# Altium PCB MdFOC.PcbDoc (part 2 of 2)
Units mil, origin at the board's own origin, x right, y up, seen from the top; angles counter-clockwise.
Board outline 3228.34 x 2206.4 mil, 4 copper layers (Top Layer, GND, SIG, Bottom Layer), stack 62.674 mil thick; 181 components, 136 nets, 724 pads, 590 vias.
Unrouted connection lines stored in the file: 2.
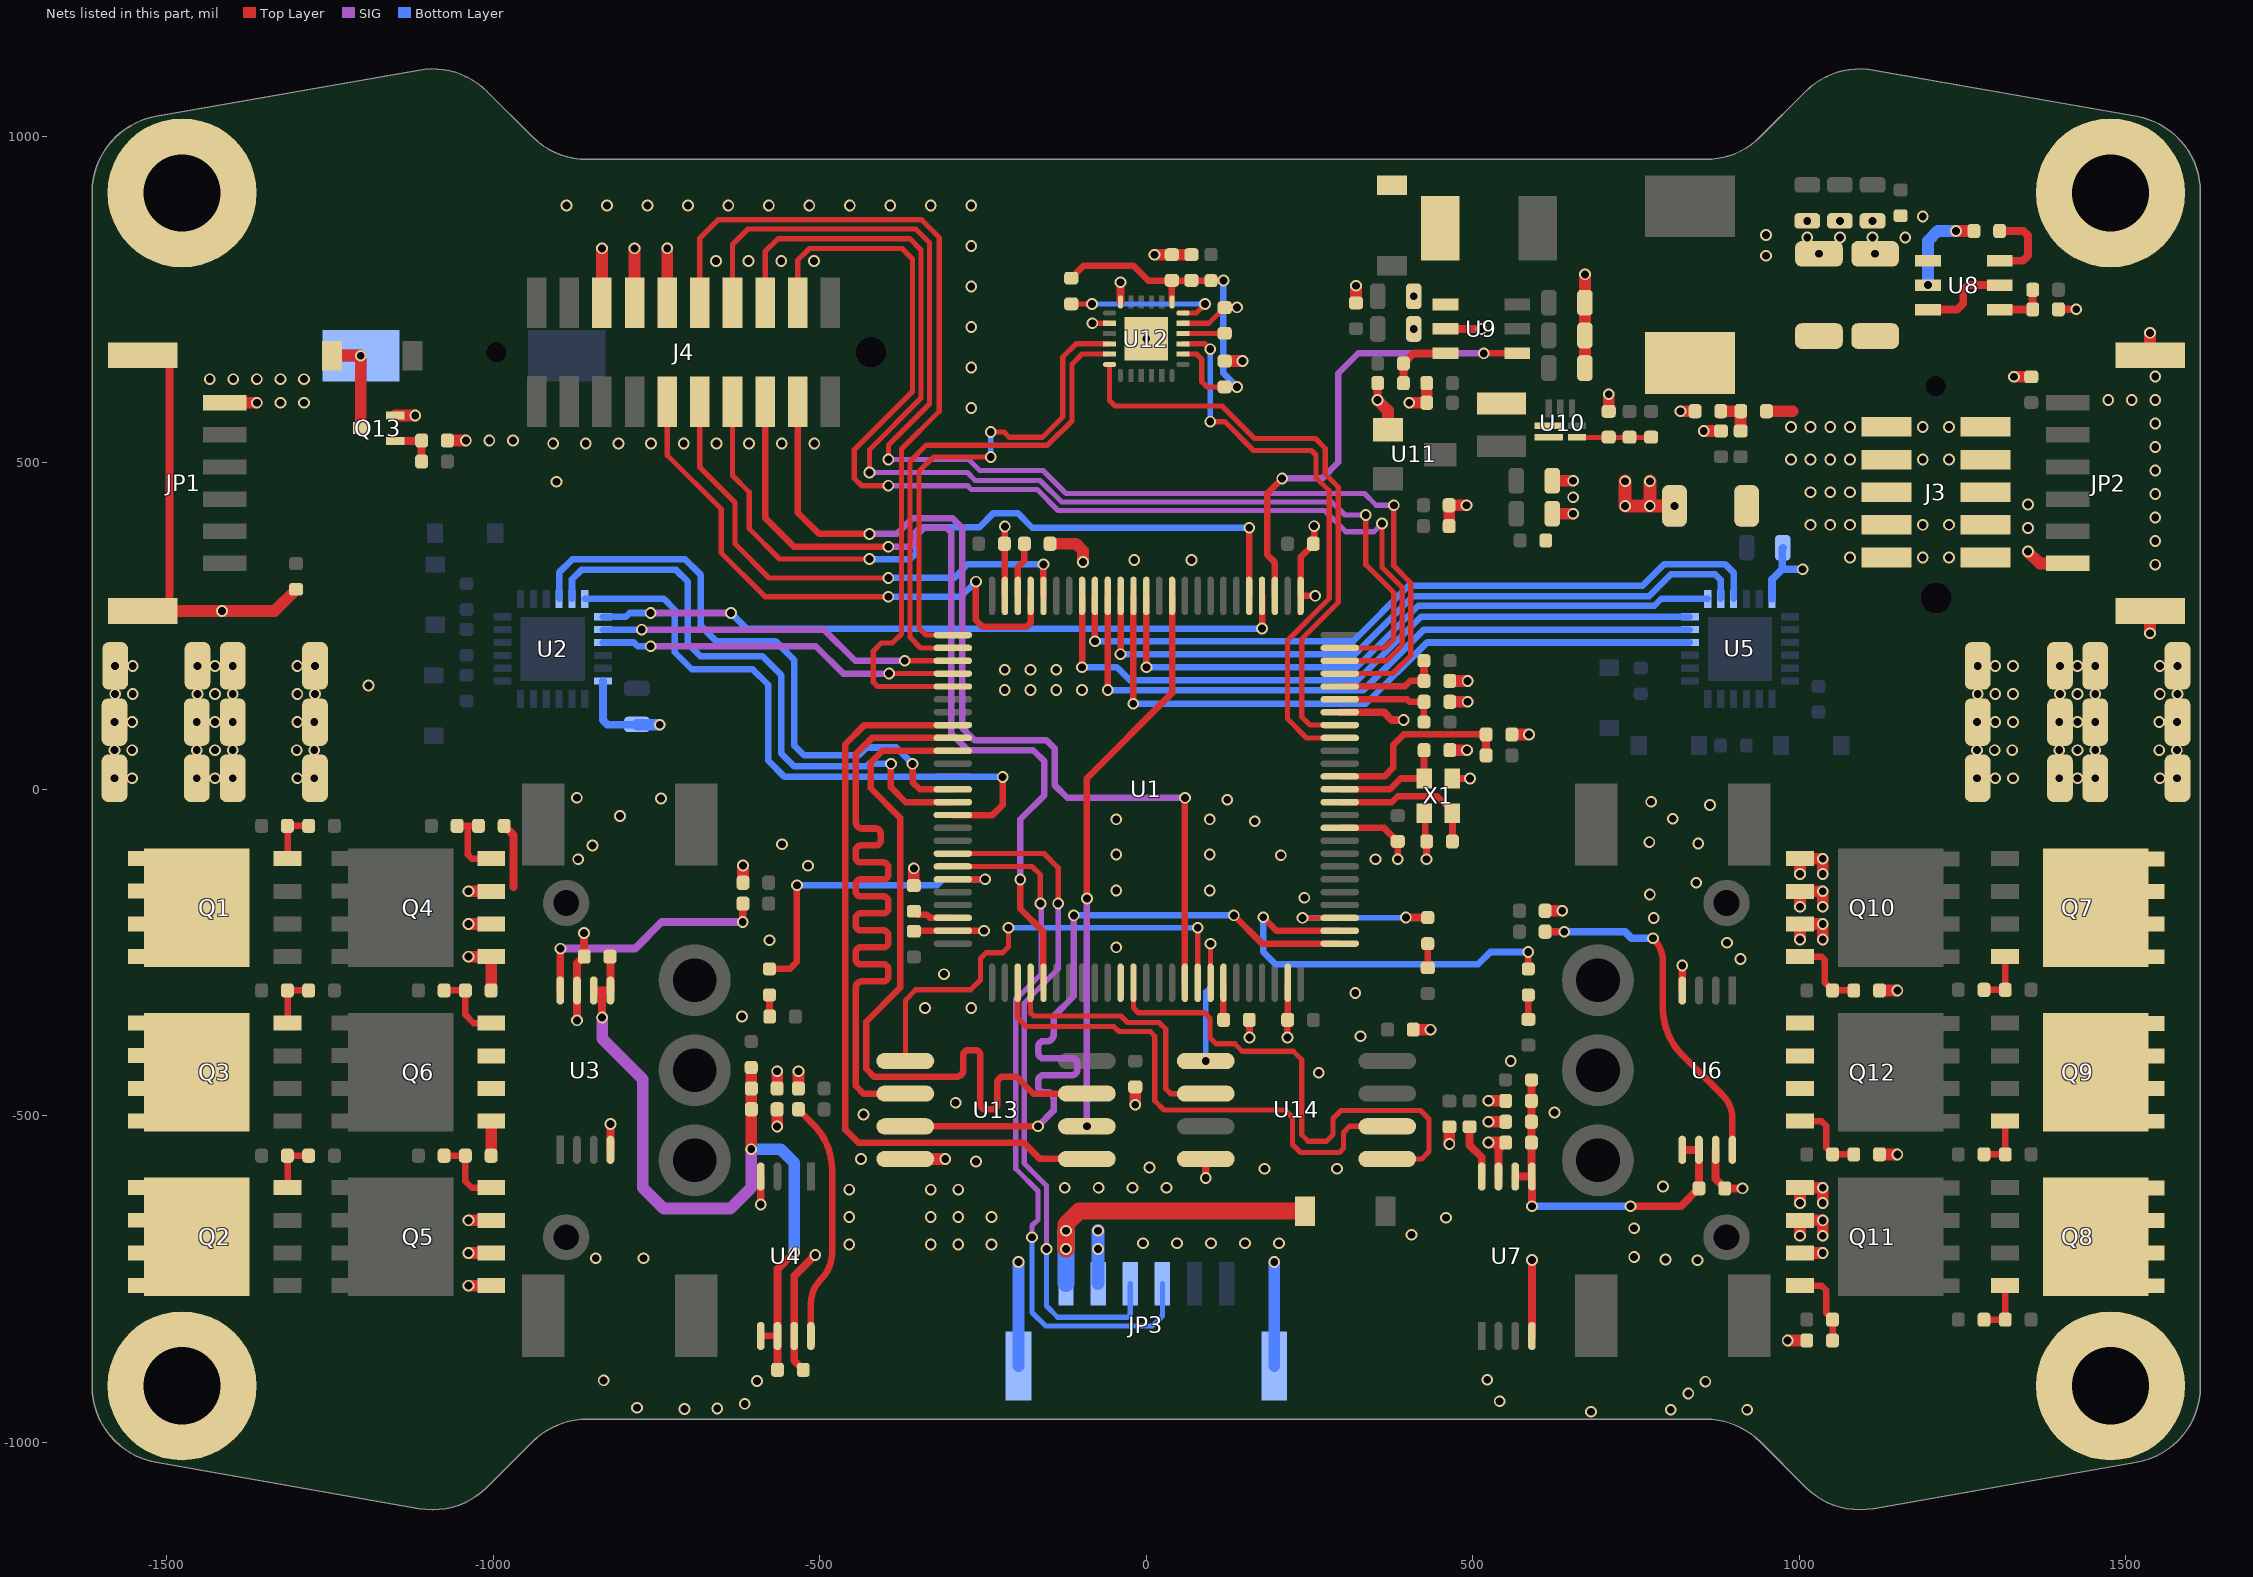
[diagram p4: the nets of this part, all layers, seen from the top]

## Via types
v1: diameter 18, hole 12, Top Layer to Bottom Layer, 590 vias

## Nets (pads, with @x,y where several pads share a name; then routed paths per layer and width w, separated by ;. In a path a pad name is that pad's centre, name@x,y a point inside that pad or via, vN(x,y) a via of type N, cw(c..) or ccw(c..) an arc to the next point about the centre after c; other vN are vias at no path point) (continued)
GND: C1.2 C2.1 C3.1 C4.1 C5.1 C6.1 C7.1 C8.1 C9.1 C10.2 C11.1 C12.1 C13.1 C21.2 C24.1 C25.1 C26.1 C27.1 C28.1 C36.2 C39.1 C40.1 C41.1 C42.1 C43.1 C44.1 C45.1 C46.1 C47.1 C48.1 C49.1 C50.1 C51.1 C52.1 C53.1 C54.1 C55.1 C56.1 C58.1 C59.1 C60.1 C61.1 C62.1 C64.1 C65.1 C66.1 C67.1 C68.1 C69.2 C70.2 C71.1 C72.1 C73.1 C74.1 J4.16 J4.17 J4.18 JP1.6 JP1.7 JP1.8 JP2.6 JP2.7 JP2.8 JP3.2 JP3.7 JP3.8 pad.1 Q13.2 R2.1 R36.2 R37.1 R39.1 R40.1 R41.2 R45.1 R48.1 U1.10 U1.19 U1.26 U1.49 U1.74 U1.99 U2.6 U3.4 U3.7 U4.4 U4.7 U5.6 U6.4 U6.7 U7.4 U7.7 U8.1 U9.2 U10.7 U11.1 U12.11 U12.18 U12.20 U12.25 U13.4 U14.4 X1.2 X1.4 | length 4847.3
  Top Layer w8: v1(-82.62,713.62) U12.20@-56.2,713.62 ; U12.11@56.2,713.62 95.62,713.62 120,738 v1(139,738)
  Top Layer w10: C5.1@-356,-217 -355.61,-216.61 -296.34,-216.61 U1.74@-296.26,-216.53 v1(-248.53,-216.53) ; C4.1@-217,376 C4.1@-216.61,375.61 ; v1(-216.61,402.61) C4.1@-216.61,375.61 ; U1.49@-216.54,296.27 -216.61,296.34 C4.1@-216.61,375.61 ; v1(158,-380) R2.1@158,-353 ; v1(216,-380) 216,-353 216.46,-352.54 216.46,-296.33 U1.99@216.54,-296.25 ; v1(257,403) 257,376 236.22,355.22 U1.26@236.22,296.27 v1(258.73,296.27) ; U1.10@296.26,-59.05 364.05,-59.05 385,-80 v1(385,-107) ; X1.4@425.35,-36.57 427.17,-38.39 427.17,-78.17 429,-80 v1(429,-107) ; X1.2@468.66,16.57 v1(495.66,16.57)
  Top Layer w12: JP1.8@-1495.99,273.13 JP1.7@-1495.99,664.87 ; v1(-871.8,-353.8) U3.7@-871.8,-307.95 -871.8,-266.8 -861,-256 v1(-861,-220) ; U3.4@-820.61,-552.05 v1(-820.61,-512.39) ; v1(-590.39,-635.61) U4.4@-590.39,-592.95 ; C27.1@-525,-889 -539.2,-874.8 U4.7@-539.2,-837.05 -539.2,-745.2 v1(-507,-713) ; U12.18@-39.37,746.2 v1(-39.37,776.37) ; v1(91.02,-594.98) U14.4@91.02,-566 ; U1.19@296.26,118.12 363.88,118.12 376,106 v1(394,106) ; v1(354,596) R36.2@354,622 ; U9.2@458,705 v1(513,705) ; U7.7@539.2,-592.95 539.2,-551.8 C42.1@550,-541 ; U7.4@590.39,-837.05 v1(590.39,-720.61) ; U6.4@820.61,-307.95 v1(820.61,-269.61) ; U6.7@871.8,-552.05 871.8,-596.8 886,-611 v1(913,-611) ; R37.1@1397,735 v1(1424,735)
  Top Layer w18: JP1.8@-1495.99,273.13 v1(-1415.43,273.13) -1334.87,273.13 C13.1@-1302,306 ; JP1.6@-1411.01,592.03 v1(-1362.03,592.03) ; Q13.2@-1150.02,572.58 v1(-1119.58,572.58) ; R48.1@-1070,534 v1(-1042,534) ; J4.18@-833.66,745.08 v1(-833.66,828.34) ; J4.17@-783.66,745.08 v1(-783.66,828.34) ; J4.16@-733.66,745.08 v1(-733.66,828.34) ; C24.1@-617.68,-143 v1(-617.68,-116.68) ; v1(-565.32,-516.32) C44.1@-565.32,-490 ; C43.1@-565.32,-458 v1(-565.32,-431.68) ; C25.1@-532.68,-458 v1(-532.68,-431.68) ; U13.4@-368.98,-566 v1(-308,-566) ; C12.1@-356,-147.32 v1(-356,-121) ; C11.1@-147.32,376 -107.54,376 -97,365.46 v1(-97,348) ; v1(-17,-483) C73.1@-17,-455.68 ; v1(12.68,818.68) C71.1@39,818.68 C72.1@69,818.68 ; C69.2@120,655.68 v1(147.32,655.68) ; C56.1@321,744.68 v1(321,771) ; v1(354,596) 370,580 U11.1@370,550.5 ; v1(402.68,592) C65.1@429,592 ; C74.1@408.68,-368 v1(435,-368) ; C65.1@429.32,592 C64.1@429.32,622 ; C67.1@463.68,403 463.68,434.68 464,435 v1(490.32,435) ; v1(464,-543) C40.1@464,-516.68 ; C8.1@464.68,60 v1(491,60) ; C1.2@464.68,134 v1(492,134) ; C9.1@464.68,166 v1(492,166) ; v1(524,-541) C42.1@550.32,-541 ; v1(524,-509) C46.1@550.32,-509 ; v1(524,-477) C45.1@550.32,-477 ; C10.2@559.68,84 v1(586,84) ; C39.1@610.68,-186 v1(637,-186) ; C60.1@621.56,422 v1(653.55,422) ; C59.1@621.56,472.45 v1(653.55,472.45) ; C62.1@671.56,645 C58.1@671.56,695 C53.1@671.56,745 v1(671.56,788.56) ; R41.2@708,578.68 v1(708,605) ; v1(818,579) R45.1@840,579 ; v1(853.68,548.68) C68.1@880,548.68 ; v1(1328.68,631.68) C28.1@1355,631.68 ; v1(1350,364) 1368.03,345.97 JP2.6@1411.01,345.97 ; v1(1536.99,239.01) JP2.7@1536.99,273.13 ; JP2.8@1536.99,664.87 v1(1536.99,698.99)
  Top Layer w20: v1(733.22,471.78) v1(733.22,434) v1(771,434) ; v1(771,471.78) v1(771,434) ; v1(808.78,434) v1(771,434)
  Bottom Layer w12: U2.6@-832.23,165.78 -832.23,106.03 -825.2,99 C21.2@-780,99 ; U5.6@958.22,291.77 958.22,321.52 973.7,337 ; C36.2@975,370 973.7,368.7 973.7,337 ; v1(1005,337) 973.7,337
  Bottom Layer w18: C21.2@-780,99 v1(-745,99) ; JP3.8@-195.87,-882.99 v1(-195.87,-723.87) ; JP3.7@195.87,-882.99 v1(195.87,-723.87)
  Bottom Layer w20: JP3.2@-73.82,-757.01 v1(-73.82,-704) v1(-73.82,-675.97)
  other v1: 681,-953 803,-950 920,-950 -707,-949 -657,-948 -780,-947 -615,-941 541,-937 830,-925 856,-907 -596,-906 -831,-905 522,-904 844,-721 795,-720 -843,-718 -770,-718 747,-716 -455,-697 -330,-697 -288,-697 -237,-697 -5,-695 47,-695 99,-695 151,-695 203,-695 406,-682 747,-672 459,-656 -455,-655 -330,-655 -288,-655 -237,-655 -455,-613 -330,-613 -288,-613 -125,-610 -73,-610 -21,-610 31,-610 791,-608 181,-581 292,-581 5,-579 -261,-570 -437,-566 -433,-498 625,-495 -292,-480 264,-434 558,-416 328,-378 -619,-348 -339,-335 -268,-335 320,-312 -310,-283 910,-260 -46,-242 889,-235 -577,-231 777,-197 242,-166 771,-161 -46,-155 97,-155 842,-143 -518,-117 -870,-107 351,-107 206,-101 -46,-100 97,-100 -848.05,-86 -558,-84 845.05,-83 770.29,-80.89 166,-49 -46,-46 97,-46 806,-45 -806,-41 863,-24 773,-19 124,-16 -743,-14 -872,-13 -216.7,152 -177.28,152 -137.85,152 -98.43,152 -1191,159 -216.7,183 -177.28,183 -137.85,183 1545,344.03 -18.43,351 69,351 1545,380.06 1350,400.03 1545,416.09 1350,436.06 653.55,447.23 1545,452.12 -903,471 1545,488.15 1545,524.18 -908.32,529.58 -858.32,529.58 -808.32,529.58 -758.32,529.58 -708.32,529.58 -658.32,529.58 -608.32,529.58 -558.32,529.58 -508.32,529.58 -1005.97,534 -969.94,534 1545,560.21 -268,584 -1326,592.03 -1289.97,592.03 1472.94,596.24 1508.97,596.24 1545,596.24 -1434.09,628.06 -1398.06,628.06 -1362.03,628.06 -1326,628.06 -1289.97,628.06 1545,632.27 -268,646 0,690 409.56,705 -268,708 409.56,755 -268,770 -659,809 -609,809 -559,809 -509,809 949,817 1030,819.99 1116,819.99 -268,832 1012,845 1062,845 1112,845 1162,845 949,849 1012,870.44 1062,870.44 1112,870.44 1189,877 -888,894 -826,894 -764,894 -702,894 -640,894 -578,894 -516,894 -454,894 -392,894 -330,894 -268,894
IMU_3V3: C69.1 C71.2 C72.2 L8.1 R46.1 U12.8 U12.13 | length 578.6
  Top Layer w8: U12.8@56.2,666.38 76.75,666.38 85,658.13 85,624 93,616 C69.1@120,616 ; C69.1@120,616.32 120.32,616 v1(139,616)
  Top Layer w10: R46.1@-115,783 -96,802 -20,802 3,779 C71.2@39,779 ; U12.13@39.18,746.38 39.18,778.82 C71.2@39,779 ; v1(118,779) L8.1@99,779 C71.2@39,779
  Bottom Layer w10: v1(118,779) 118,637 v1(139,616)
IMU_CLK: U1.52 U12.23 | length 766.3
  Top Layer w8: U1.52@-296.26,216.54 -345.54,216.54 -362,233 -362,502 -337,527 -151.2,527 -114,564.2 -114,651 -98.62,666.38 U12.23@-56.2,666.38
IMU_CS: U1.51 U12.22 | length 743.8
  Top Layer w8: U1.51@-296.26,236.23 -337.5,236.23 -348,246.73 -348,487 -326,509 v1(-238.14,509) ; v1(-238.14,547) -218,547 -210,539 -159,539 -128,570 -128,662 -107.87,682.13 U12.22@-56.2,682.13
  Bottom Layer w8: v1(-238.14,509) v1@-238.14,539
IMU_INT: R46.2 U12.12 | length 244.4
  Top Layer w8: R46.2@-115,743 v1(-83,743) ; U12.12@56.2,729.37 76.37,729.37 v1(90,743)
  Bottom Layer w8: v1(-83,743) v1(90,743)
IMU_MISO: U1.17 U12.9 | length 870.5
  Top Layer w8: U12.9@56.2,682.13 89.87,682.13 v1(98,674) ; v1(98,563) 120,563 164,519 253,519 260,512 260,477.2 280,457.2 280,292 216,228 216,108 245.25,78.75 U1.17@296.26,78.75
  Bottom Layer w8: v1(98,563) v1(98,674)
IMU_MOSI: U1.18 U12.24 | length 921.9
  Top Layer w8: U12.24@-56.2,650.63 -56.2,595.2 -48,587 115.8,587 165.8,537 259,537 274,522 274,483 294,463 294,286.2 238,230.2 238,111 250.57,98.43 U1.18@296.26,98.43
IMUB_CS: J4.15 U1.55 | length 1345.8
  Top Layer w8: J4.15@-683.66,745.08 -683.66,844.34 -656,872 -344,872 -317,845 -317,579 -375,521 -375,238 -389,224 -406,224 -418,212 -418,164 -411.49,157.49 U1.55@-296.26,157.49
M1_PWMA: U1.63 U2.22 | length 943.9
  Top Layer w10: v1@-358,37 -358,11 -347.01,0.01 U1.63@-296.26,0.01
  Bottom Layer w10: U2.22@-899.16,291.77 -899.16,331.84 -879,352 -706,352 -682,328 -682,250 -659,227 -568,227 -539,198 -539,67 -524,52 -440,52 -427.94,64.06 -383.06,64.06 v1(-358,39)
M1_PWMA_N: U1.29 U2.1 | length 1071.8
  Top Layer w10: v1(177.17,246.17) U1.29@177.17,296.27
  SIG w10: v1(-759,270) v1(-636,270)
  Bottom Layer w10: U2.1@-832.23,264.21 -796.79,264.21 -791,270 v1(-759,270) ; v1(-636,270) -612.17,246.17 v1(177.17,246.17)
M1_PWMB: U1.64 U2.23 | length 914.6
  Top Layer w10: v1@-391,37 -391,3 -368.32,-19.68 U1.64@-296.26,-19.68
  Bottom Layer w10: U2.23@-879.47,291.77 -879.47,321.53 -865,336 -720,336 -702,318 -702,223 -683,204 -588,204 -559,175 -559,55 -539,35 -429,35 -425,39 v1(-391,39)
M1_PWMB_N: U1.53 U2.2 | length 555.7
  Top Layer w8: v1(-369.86,196.86) U1.53@-296.26,196.86
  SIG w10: v1(-772.52,244.52) -493.52,244.52 -445.86,196.86 v1(-369.86,196.86)
  Bottom Layer w10: U2.2@-832.23,244.52 v1(-772.52,244.52)
M1_PWMC: U1.65 U2.24 | length 984.4
  Top Layer w10: U1.65@-296.26,-39.36 -235.36,-39.36 -220,-24 v1(-220,19)
  Bottom Layer w10: U2.24@-859.79,291.77 -738.77,291.77 -722,275 -722,210 -696,184 -603,184 -579,160 -579,44 -554,19 v1(-220,19)
M1_PWMC_N: U1.54 U2.3 | length 555.7
  Top Layer w8: v1(-393.83,177.17) U1.54@-296.26,177.17
  SIG w10: v1(-759,219.04) -506.04,219.04 -464.17,177.17 v1(-393.83,177.17)
  Bottom Layer w10: U2.3@-832.23,224.84 -784.84,224.84 -779.04,219.04 v1(-759,219.04)
M2_PWMA: U1.39 U5.22 | length 1056.4
  Top Layer w10: v1@-19.69,131 U1.39@-19.69,296.27
  Bottom Layer w10: v1(-20,131) 336,131 429.84,224.84 U5.22@832.23,224.84
M2_PWMA_N: U1.38 U5.1 | length 1016.3
  Top Layer w10: U1.38@0,296.27 0.08,296.19 0.08,183.24 v1@0.31,183
  Bottom Layer w10: v1(0.31,187) 322.25,187 416.25,281 777.75,281 788.52,291.77 U5.1@859.79,291.77
M2_PWMB: U1.41 U5.23 | length 1073.8
  Top Layer w10: U1.41@-59.06,296.27 -59.06,152.06 v1(-59,152)
  Bottom Layer w10: v1(-59,152) 332.51,152 425.04,244.53 U5.23@832.23,244.53
M2_PWMB_N: U1.40 U5.2 | length 1090.9
  Top Layer w10: v1(-39.37,207) U1.40@-39.37,296.27
  Bottom Layer w10: v1(-39.37,207) 319.63,207 408.63,296 770.12,296 803.12,329 871,329 879.48,320.52 U5.2@879.48,291.77
M2_PWMC: U1.43 U5.24 | length 1092.5
  Top Layer w10: v1@-98.43,183 v1(-98.43,187) U1.43@-98.43,296.27
  Bottom Layer w10: v1(-98.43,187) -45,187 -25,167 323.47,167 420.68,264.21 U5.24@832.23,264.21
M2_PWMC_N: U1.42 U5.3 | length 1141.9
  Top Layer w10: v1(-78.74,226.74) U1.42@-78.74,296.27
  Bottom Layer w10: v1(-78.74,226.74) 316.74,226.74 402,312 760,312 793,345 886,345 899.16,331.84 U5.3@899.16,291.77
M3_PWMA: J4.14 U1.22 | length 1931.5
  Top Layer w8: J4.14@-633.66,745.08 -633.66,834.34 -610,858 -353,858 -332,837 -332,590 -395,527 v1(-395,505) ; U1.22@296.26,177.17 377.17,177.17 405,205 405,316 379,342 v1(379,435)
  SIG w8: v1(-395,505) -272,505 -255,488 -158,488 -123,453 334.11,453 352.11,435 v1(379,435)
M3_PWMB: J4.12 U1.23 | length 1779.6
  Top Layer w8: J4.12@-533.66,745.08 -533.66,810.34 -516,828 -374,828 -358,812 -358,609 -447.41,519.59 -447.41,476.41 -436,465 v1(-395,465) ; U1.23@296.26,196.86 367.86,196.86 392,221 392,309 361,340 v1(361,407)
  SIG w8: v1(-395,465) -274,465 -268,459 -167,459 -135,427 273,427 305.5,394.5 348.5,394.5 v1(361,407)
M3_PWMC: J4.13 U1.24 | length 1788.5
  Top Layer w8: J4.13@-583.66,745.08 -583.66,823.34 -564,843 -362,843 -345,826 -345,599 -424,520 v1(-424,485) ; U1.24@296.26,216.54 364.95,216.54 379,230.59 379,301 336,344 v1(336,420)
  SIG w8: v1(-424,485) -274,485 -262,473 -162.62,473 -129.62,440 284,440 304,420 v1(336,420)
MOTOR_EN: U1.28 U9.4 | length 713.2
  Top Layer w10: U1.28@196.85,296.27 196.85,347.15 185,359 185,453 v1(208,476) ; v1(516.6,667.6) U9.4@568,667.6
  SIG w10: v1(208,476) 269,476 294,501 294,637 324.6,667.6 v1(516.6,667.6)
NetC1_1: C1.1 L1.1 U1.20 | length 161.8
  Top Layer w10: U1.20@296.26,137.8 399.2,137.8 403,134 C1.1@425.32,134 425,133.68 L1.1@425,103
NetC7_2: C7.2 U1.12 X1.1 | length 232.3
  Top Layer w10: U1.12@296.26,-19.68 375.95,-19.68 385.06,-10.57 445.66,-10.57 468.66,-33.57 X1.1@468.66,-36.57 468.83,-36.74 468.83,-79.83 C7.2@469,-80
NetC8_2: C8.2 U1.13 X1.3 | length 179.5
  Top Layer w10: U1.13@296.26,0.01 373.01,0.01 389.55,16.55 X1.3@425.35,16.55 425.17,16.73 425.17,59.83 C8.2@425,60
NetC9_2: C9.2 L2.1 U1.21 | length 163.7
  Top Layer w10: U1.21@296.26,157.49 395.49,157.49 404,166 C9.2@425.32,166
  Top Layer w12: L2.1@425,197 425.32,196.68 C9.2@425.32,166
NetC10_1: C10.1 R1.2 U1.14 | length 303
  Top Layer w10: U1.14@296.26,19.69 364.69,19.69 377.9,32.9 377.9,67.54 394.36,84 C10.1@520.32,84
  Top Layer w12: R1.2@520.32,52 C10.1@520.32,84
NetC11_2: C11.2 U1.48 | length 83.8
  Top Layer w10: U1.48@-196.85,296.27 -196.85,340.15 -187,350 C11.2@-187,376
NetC12_2: C12.2 U1.73 | length 63.8
  Top Layer w10: C12.2@-356,-187 -351,-192 -336,-192 -331.23,-196.77 -296.34,-196.77 U1.73@-296.26,-196.84
NetC57_1: C57.1 U8.6 | length 123
  Top Layer w12: U8.6@1307,809.4 1342.4,809.4 1350,817 1350,847.97 1342.97,855 C57.1@1307,855
NetC57_2: C57.2 L6.1 U8.2 | length 144.2
  Top Layer w18: v1(1240,855) C57.2@1267,855
  Bottom Layer w18: v1(1197,772) 1197,840 1212,855 v1(1240,855)
NetC63_2: C63.2 R41.1 R42.2 U10.1 | length 113.7
  Top Layer w8: U10.1@659.73,538.92 U10.1@659.66,538.85 772.53,538.85 C63.2@773,539.32 ; C63.2@767.93,538.92 C63.2@768,539
NetC70_1: C70.1 U12.10 | length 63.9
  Top Layer w8: U12.10@56.2,697.87 56.26,697.93 119.93,697.93 C70.1@120,698
NetD7_2: D7.2 L5.2 U9.1
NetD8_2: D8.2 JP3.1 | length 493.4
  Top Layer w26: v1(-123,-704) v1(-123,-676) -123,-666 -102.79,-645.79 D8.2@243.04,-645.79
  Bottom Layer w26: JP3.1@-123.03,-757.01 v1@-123.03,-704.03 ; v1(-123,-704) v1(-123,-676)
NetD9_2: D9.2 LS1.2 Q13.3 | length 154.6
  Top Layer w18: D9.2@-1246.96,664.21 -1203.21,664.21 v1(-1202.98,663.98) Q13.3@-1202.98,553.46
NetL7_1: L7.1 U10.6
NetLED1_2: LED1.2 R49.1 | length 36.7
  Top Layer w10: LED1.2@430.89,-236.39 430.95,-236.44 430.95,-272.95 R49.1@431,-273
NetLED2_2: LED2.2 R50.1 | length 33
  Top Layer w10: R50.1@-577,-348 LED2.2@-577,-315
NetLED3_2: LED3.2 R51.1 | length 37
  Top Layer w10: LED3.2@584.89,-315 584.95,-315.05 584.95,-351.95 R51.1@585,-352
NetQ1_4: Q1.4 R3.1 R6.2 | length 82.2
  Top Layer w10: Q1.4@-1315,-106.2 -1315,-56 R3.1@-1283,-56
NetQ2_4: Q2.4 R4.1 R7.2 | length 81
  Top Layer w10: Q2.4@-1315,-610 -1315,-561 R4.1@-1283,-561
NetQ3_4: Q3.4 R5.1 R8.2 | length 82.1
  Top Layer w10: Q3.4@-1315,-358.1 -1315,-308 R5.1@-1283,-308
NetQ4_4: Q4.4 R13.1 R16.2 | length 114.6
  Top Layer w10: R13.1@-1055,-56 -1039,-56 ; R16.2@-1023,-56 -1039,-56 ; Q4.4@-1003,-106.2 -1032.8,-106.2 -1039,-100 -1039,-56
NetQ5_4: Q5.4 R14.1 R17.2 | length 115.1
  Top Layer w10: R14.1@-1075,-561 -1043,-561 -1043,-600 -1033,-610 Q5.4@-1003,-610
NetQ6_4: Q6.4 R15.1 R18.2 | length 114.4
  Top Layer w10: R15.1@-1075,-308 -1043,-308 -1043,-345 -1029.9,-358.1 Q6.4@-1003,-358.1
NetQ7_4: Q7.4 R19.1 R22.2 | length 82.8
  Top Layer w10: R19.1@1283,-307 1315,-307 Q7.4@1315,-256.2
NetQ8_4: Q8.4 R20.1 R23.2 | length 84
  Top Layer w10: R20.1@1283,-812 1315,-812 Q8.4@1315,-760
NetQ9_4: Q9.4 R21.1 R24.2 | length 82.9
  Top Layer w10: R21.1@1283,-559 1315,-559 Q9.4@1315,-508.1
NetQ10_4: Q10.4 R29.1 R32.2 | length 124
  Top Layer w10: Q10.4@1000.8,-256.2 1034,-256.2 1039,-261.2 1039,-296 1051,-308 R32.2@1083,-308
NetQ11_4: Q11.4 R30.1 R33.2 | length 124.2
  Top Layer w10: Q11.4@1000.8,-760 1034,-760 1041,-767 1041,-802 1051,-812 R33.2@1051,-844
NetQ12_4: Q12.4 R31.1 R34.2 | length 123.1
  Top Layer w10: Q12.4@1000.8,-508.1 1034,-508.1 1041,-515.1 1041,-549 1051,-559 R34.2@1083,-559
NetQ13_1: Q13.1 R47.2 R48.2 | length 72.3
  Top Layer w12: Q13.1@-1150.02,533.42 -1110.58,533.42 -1110,534 R47.2@-1110,502
NetR2_2: R2.2 U1.94 | length 56.8
  Top Layer w10: R2.2@118,-353 118.06,-352.94 118.06,-296.31 U1.94@118.11,-296.25
NetR11_1: R11.1 U3.8 | length 388.1
  Top Layer w12: U3.8@-897.39,-307.95 -897.39,-244.39 v1(-897,-244) ; v1(-618,-203) R11.1@-618,-175
  SIG w12: v1(-897,-244) -783,-244 -742,-203 v1(-618,-203)
NetR12_1: R12.1 U4.8 | length 373
  Top Layer w10: R12.1@-533,-490 -510.29,-512.71 cw(c-581,-583.42) -481,-583.42 -481,-708.96 cw(c-539.04,-708.96) -498,-750 ccw(c-460.3,-787.7) -513.61,-787.7 U4.8@-513.61,-837.05
NetR27_1: R27.1 U6.8 | length 534.8
  Top Layer w10: v1(776,-228) cw(c739.79,-264.21) 791,-264.21 791,-335.58 ccw(c891,-335.58) 820.29,-406.29 883,-469 cw(c848.27,-503.73) 897.39,-503.73 U6.8@897.39,-552.05
  Top Layer w12: R27.1@611,-218 v1(640,-218)
  Bottom Layer w12: v1(640,-218) 733,-218 743,-228 v1(776,-228)
NetR28_1: R28.1 U7.8 | length 83.7
  Top Layer w12: R28.1@495,-517 495,-545 513.61,-563.61 U7.8@513.61,-592.95
NetR35_1: R35.1 R36.1 U9.3 | length 100.5
  Top Layer w12: R36.1@394,622 394,652 409.6,667.6 U9.3@458,667.6
NetR37_2: R37.2 R38.1 U8.4 | length 80.2
  Top Layer w12: U8.4@1307,734.6 1307.2,734.8 1356.8,734.8 1357,735 R38.1@1357,765
NetR43_1: R43.1 R44.2 R45.2 | length 60
  Top Layer w18: R45.2@880,579 910,579 R44.2@910,549
OPL_VCC: C26.2 C27.2 C43.2 C44.2 L3.2 U3.5 U3.6 U4.5 U4.6 | length 1210.1
  Top Layer w10: U4.5@-590.39,-837.05 U4.6@-564.8,-837.05
  Top Layer w12: U3.6@-846.2,-307.95 -833.31,-307.95 ; v1(-833.31,-349.31) -833.31,-307.95 ; -821,-256 -820.61,-256.39 U3.5@-820.61,-307.95 -833.31,-307.95 ; C27.2@-565,-889 -564.8,-888.8 U4.6@-564.8,-837.05 -564.8,-734.71 v1(-539.04,-708.96)
  Top Layer w18: v1(-605,-551) -605,-490 -605,-458 L3.2@-605,-426
  SIG w18: v1(-833.31,-349.31) -833.31,-381.69 -771,-444 -771,-610 -739,-642 -637,-642 -605,-610 v1(-605,-551)
  Bottom Layer w18: v1(-605,-551) -560,-551 -539.04,-571.96 v1(-539.04,-708.96)